# Altium PCB roach2.PcbDoc (part 32 of 39) (continued)
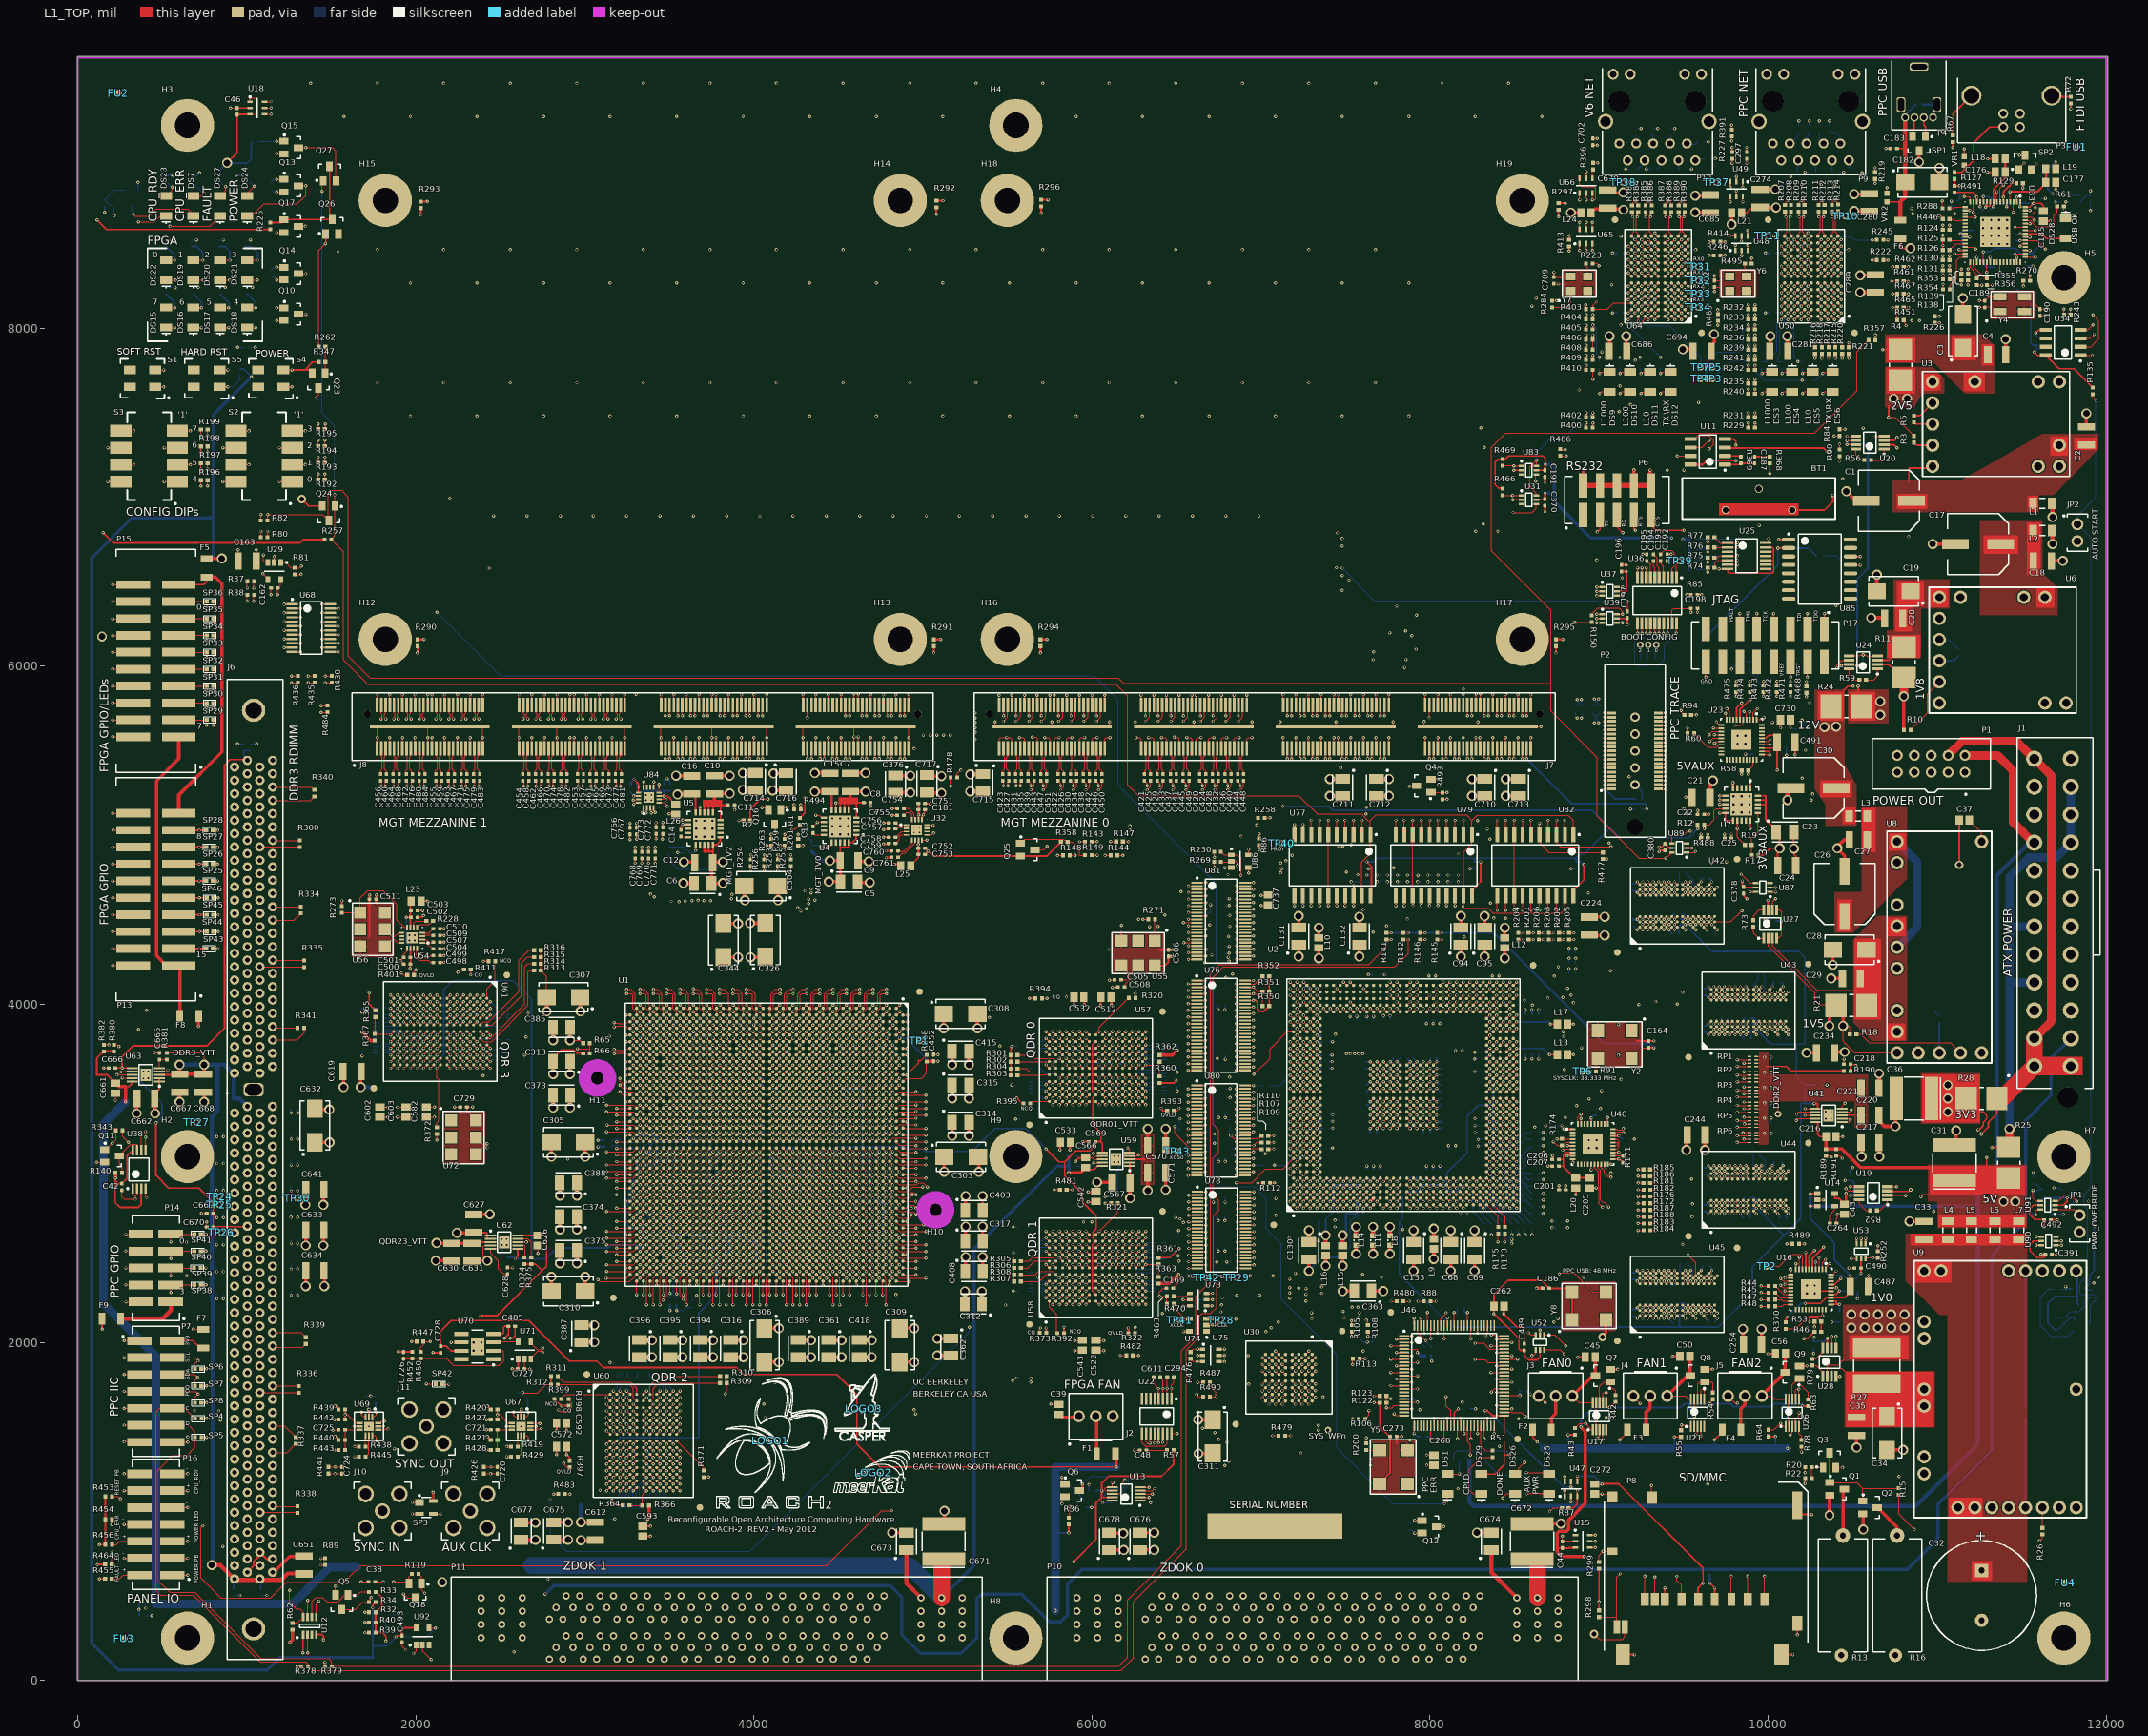
[diagram p0: L1_TOP view]
## Nets (pads, with @x,y where several pads share a name; then routed paths per layer and width w, separated by ;. In a path a pad name is that pad's centre, name@x,y a point inside that pad or via, vN(x,y) a via of type N, cw(c..) or ccw(c..) an arc to the next point about the centre after c; other vN are vias at no path point) (continued)
  L3_S w3.8: v2(8797.99,5088.42) 8797.99,5399.99 9018.72,5620.72 9018.72,5730.45 9089.25,5800.99 9790.51,5800.99 v3(9812.28,5822.77)
  L5_S w3.8: v3(8097.99,4583.31) 8125.93,4583.31 8141.53,4567.71 8154.45,4567.71 8185.65,4598.91 8204.45,4598.91 8220.05,4583.31 8372.24,4583.31 v2(8397.99,4557.56)
  L9_R w3.8: v3(7797.99,4583.31) 7813.59,4598.91 7854.45,4598.91 7868.95,4584.41 v3(7898.99,4584.41) 7924.93,4584.41 7940.53,4600.01 7981.39,4600.01 v3(7996.99,4584.41) 8012.59,4568.81 8053.45,4568.81 8067.95,4583.31 v3(8097.99,4583.31) ; v2(8397.99,4557.56) 8425.93,4557.56 8441.53,4541.96 8454.45,4541.96 8470.05,4557.56 v2(8497.99,4557.56) ; v2(8497.99,5088.42) 8515.42,5070.99 8558.99,5070.99 8576.42,5088.42 v2(8597.99,5088.42) v2(8697.99,5088.42) 8725.93,5088.42 8741.53,5104.02 8754.45,5104.02 8770.05,5088.42 v2(8797.99,5088.42) ; v3(9812.28,5822.77) 9840.99,5851.48 9840.99,6014.99 9958.99,6132.99 9958.99,6400.99 10292.99,6734.99 10292.99,7418.99 10384.99,7510.99 10384.99,7742.99 10434.99,7792.99 10506.99,7792.99 10574.99,7860.99 10574.99,8044.99 10652.99,8122.99 v2(10736.72,8122.99)
SYS_TRSTN: R50.1 R446.2 R473.2 U82.17 | length 7829.5
  L1_TOP w5: v3(8697.99,4557.56) U82.17@8697.99,4641.89 ; v3(9972.28,5822.77) R473.2@9972.28,5846.77 ; v2(11012,8665) 11025,8665 11033.31,8656.69 R446.2@11033.31,8646
  L8_R w5: v6(9060,4955) 9060,5086 9166.99,5192.99 9276.99,5192.99 9338.99,5254.99 9338.99,5810.99 9368.99,5840.99 9708.99,5840.99 9742.99,5874.99 9920.99,5874.99 9966.99,5828.99 v3@9966.99,5822.77
  L9_R w5: v3(8697.99,4557.56) 8757.69,4617.26 8849.47,4617.26 8967.39,4735.18 8967.39,4952 ; v6(9060,4955) 9057,4952 8967.39,4952 ; v2(10895,8045) 10912.99,8027.01 10912.99,7297.99 10705,7090 10705,6480 10285,6060 10285,5370 10205,5290 10160,5290 10120.75,5250.75 9475.75,5250.75 9405,5180 9138.07,5180 8967.39,5009.32 8967.39,4952
  L12_S w3.8: v2(10895,8045) 10980.99,8130.99 10980.99,8633.99 v2(11012,8665)
  L16_BOT w5: R50.1@9940,5990.31 9940,5905 9972,5873 9972,5823.05 v3(9972.28,5822.77)
SYS_WPN: pad.0@7397,1480.99 Q11.1 R343.1 U30.B4 U46.32 | length 13412.4
  L1_TOP w5: Q11.1@159.68,3140.39 168.39,3140.39 v2(204.99,3176.99) 226.32,3198.32 R343.1@226.32,3254 ; U30.B4@7263.78,1811.02 v1(7283.47,1830.71) ; U46.32@8024.88,1506.73 v3(8024.88,1551.94)
  L5_S w3.94: v2(204.99,3176.99) 204.99,3004.99 175,2975 175,647 296,526 681,526 1000,207 1294,207 1367,280 1367,337 1400,370 2006,370 2207,169 v6(2581,169) ; v3(8024.88,1551.94) 8135,1441.83 8135,1165 v6(8165,1135)
  L8_R w3.8: v1(7283.47,1830.71) 7262.99,1810.24 7262.99,1516.99 7298.99,1480.99 v2(7338.99,1480.99)
  L8_R w3.94: v6(2581,169) 2672,169 2813,310 4747,310 4993,556 5152,556 5160,548 8005,548 8206,749 8206,1094 v6(8165,1135)
  L9_R w3.8: v2(7338.99,1480.99) 7854.99,1480.99 7925.94,1551.94 v3(8024.88,1551.94)
TDI: R477.1 U82.5 | length 514.5
  L1_TOP w5: v2(8646.99,5071.32) 8647.99,5070.32 U82.5@8647.99,5004.09 8647.99,4956.01 8705.32,4898.68 R477.1@9022.99,4898.68
THERM_ALERTN: R75.1 R87.1 U2.U34 U15.5 U18.5 U22.12 | length 20002.3
  L1_TOP w5: U18.5@1106.3,9302.99 1144.39,9302.99 v2(1144.99,9303.59) ; v2(6370.06,1405.5) 6370.49,1405.94 U22.12@6370.49,1460.63 ; v1(7803.62,4132.28) U2.U34@7823.31,4112.6 ; v6(8708.66,1000) 8728.66,1020 R87.1@8780.32,1020 ; U15.5@8946.3,822.99 v2(8977.73,822.99) ; R75.1@9643.31,6642.99 v2(9643.31,6616.13) v2@9644.31,6615.13
  L3_S w5: v2(6370.06,1405.5) 6371.59,1405.5 6391.74,1425.65 6425.25,1425.65 6445.39,1405.5 6643.5,1405.5 6681.19,1443.19 6757.7,1443.19 6769.1,1431.79 7189.11,1431.79 7192.51,1435.19 7599.88,1435.19 7616.28,1418.79 7776.39,1418.79 7816.79,1459.19 7833.19,1459.19 8019.98,1645.98 v2(8192.01,1645.98)
  L8_R w3.8: v2(1144.99,9303.59) 1170.99,9277.59 1170.99,9184.99 1090.99,9104.99 1090.99,8550.99 1228.99,8412.99 1228.99,8253.59 1581.59,7900.99 1581.59,7293.42 2492.02,6382.99 7576.99,6382.99 v2(7760.99,6198.99)
  L12_S w3.8: v2(7760.99,6198.99) 7956.99,6394.99 8740.99,6394.99 8848.59,6502.59 9529.77,6502.59 v2(9643.31,6616.13)
  L14_S w3.8: v2(7760.99,6198.99) 7818.99,6140.99 7818.99,5433.79 7903.79,5348.99 7903.79,5104.69 7913.59,5094.89 7913.59,5081.96 7903.79,5072.16 7903.79,4739.73 7831.19,4667.13 7831.19,4610.91 7820.99,4600.71 7820.99,4149.65 v1(7803.62,4132.28) 7786.31,4132.28 7770.71,4147.88 7757.79,4147.88 7732.99,4123.09 7732.99,4005.03 7708.81,3980.85 7708.81,3926.59 7717.95,3917.45 7722.99,3917.45 7739.19,3901.25 7739.19,3897.76 7829.96,3806.99 7910.99,3806.99 7984.99,3732.99 7984.99,3666.42 7984.87,3666.31 7984.87,3060.81 7995.91,3049.77 7995.91,2968.68 7979.76,2952.53 7979.76,2298.22 8018.99,2258.99 8018.99,2160.64 8009.28,2150.93 8009.28,2132.7 8024.99,2116.99 8024.99,2092.99 8006.99,2074.99 7958.31,2074.99 7910.86,2027.54 7910.86,2007.13 7952.99,1964.99 8166.99,1964.99 8190.99,1940.99 8190.99,1646.99 v2(8192.01,1645.98) 8302.99,1534.99 8302.99,1084.99 8328.99,1058.99 8660.03,1058.99 8660.03,1000 ; v6(8708.66,1000) 8660.03,1000 ; v2(8977.73,822.99) 8962.13,807.39 8720.59,807.39 8660.03,867.96 8660.03,1000
TRC_CLK: P2.6 U2.AG32 | length 2129.6
  L1_TOP w5: U2.AG32@8217.01,4033.86 v1(8236.69,4053.54) ; P2.6@9351.97,5323.99 v2(9391.67,5323.99)
  L3_S w3.8: v2(8356.99,4598.99) 8556.99,4798.99 8816.93,4798.99 8828.53,4787.39 9013.39,4787.39 9130.99,4904.99 9130.99,5063.32 v2(9391.67,5323.99)
  L12_S w3.8: v1(8236.69,4053.54) 8255.62,4072.47 8255.62,4351.62 8392.59,4488.59 8392.59,4525.39 8356.99,4560.99 v2(8356.99,4598.99)
TRC_HALT: P2.7 P17.11 R96.1 R270.2 U2.E32 | length 8141.5
  L1_TOP w5: v1(7331.18,4053.54) U2.E32@7350.87,4033.86 ; v2(9034.32,5348.99) P2.7@9074.02,5348.99 ; P17.11@9832.99,6220.43 v2(9832.99,6311.03) ; v3@11510.31,8252.51 R270.2@11510.31,8280
  L5_S w3.8: v2(9186.31,5155.68) 9178.99,5162.99 v2(9178.99,5346.99) 9178.99,5740.99 9204.99,5766.99 9304.99,5766.99 9832.99,6294.99 v2(9832.99,6311.03) 9862.21,6311.03 10098.43,6547.24 10551.18,6547.24 10610.24,6606.3 10610.24,7043.31 10728.89,7161.96 10728.89,7499.45 10649.61,7578.74 10649.61,7909.45 10700.79,7960.63 11255.91,7960.63 11510.31,8215.04 v3(11510.31,8250.51)
  L8_R w3.8: v2(7470.99,5398.99) 8984.32,5398.99 v2(9034.32,5348.99) 9176.99,5348.99 v2(9178.99,5346.99)
  L12_S w3.8: v1(7331.18,4053.54) 7424.99,4147.36 7424.99,5112.99 7448.99,5136.99 7448.99,5376.99 v2(7470.99,5398.99)
  L16_BOT w5: v2@9186.62,5155.99 R96.1@9214.31,5155.99
TRC_TCK: P2.15 | length 39.7
  L1_TOP w5: v2(9034.32,5448.99) P2.15@9074.02,5448.99
TRC_TDI: P2.19 | length 39.7
  L1_TOP w5: v2(9034.32,5498.99) P2.19@9074.02,5498.99
TRC_TDO: P2.11 | length 39.7
  L1_TOP w5: v2(9034.32,5398.99) P2.11@9074.02,5398.99
TRC_TMS: P2.17 | length 39.7
  L1_TOP w5: v2(9034.32,5473.99) P2.17@9074.02,5473.99
TRC_TRSTN: P2.21 | length 39.7
  L1_TOP w5: v2(9034.32,5523.99) P2.21@9074.02,5523.99
TRCBS0: P2.25 U2.AE34 | length 2093
  L1_TOP w5: U2.AE34@8138.27,4112.6 v1(8157.95,4132.28) ; v2(9034.32,5573.99) P2.25@9074.02,5573.99
  L3_S w3.8: v1(8157.95,4132.28) 8147.56,4142.67 8147.56,4366.14 8200.42,4418.99 8200.42,4490.32 8218.42,4508.32 8218.42,4605.52 8515.9,4902.99 8822.99,4902.99 8894.99,4974.99 8894.99,5112.61 9062.19,5279.81 9062.19,5408.5 9056.99,5413.7 9056.99,5566.99 9049.99,5573.99 v2(9034.32,5573.99)
TRCBS1: P2.27 U2.AE32 | length 2215.3
  L1_TOP w5: U2.AE32@8138.27,4033.86 v1(8157.95,4053.54) ; v2(9034.32,5598.99) P2.27@9074.02,5598.99
  L3_S w3.8: v2(8202.99,4398.99) 8214.22,4410.22 8214.22,4493.09 8226.22,4505.09 8226.22,4593.8 8521.61,4889.19 8828.71,4889.19 8908.79,4969.28 8908.79,5106.89 9075.99,5274.09 9075.99,5414.21 9066.99,5423.21 9066.99,5586.99 9054.99,5598.99 v2(9034.32,5598.99)
  L12_S w3.8: v1(8157.95,4053.54) 8178.99,4074.58 8178.99,4194.99 8206.04,4222.04 8206.04,4255.94 8218.42,4268.32 8218.42,4297.67 8202.99,4313.09 v2(8202.99,4398.99)
TRCBS2: P2.29 U2.AE33 | length 2199
  L1_TOP w5: U2.AE33@8138.27,4073.23 v1(8157.95,4092.91) ; v2(9034.32,5623.99) P2.29@9074.02,5623.99
  L3_S w3.8: v1(8157.95,4092.91) 8173.92,4108.88 8173.92,4207.99 8228.02,4262.08 8228.02,4495.86 8234.02,4501.86 8234.02,4582.08 8527.33,4875.39 8834.42,4875.39 8922.59,4963.56 8922.59,5101.17 9089.79,5268.37 9089.79,5419.93 9076.99,5432.73 9076.99,5600.99 9053.99,5623.99 v2(9034.32,5623.99)
TRCES0: P2.31 U2.AE31 | length 2313.6
  L1_TOP w5: U2.AE31@8138.27,3994.49 v1(8157.95,4014.17) ; v2(9034.32,5648.99) P2.31@9074.02,5648.99
  L3_S w3.8: v1(8157.95,4014.17) 8181.72,4037.94 8181.72,4204.75 8241.82,4264.85 8241.82,4570.37 8533.04,4861.59 8840.14,4861.59 8936.39,4957.84 8936.39,5095.46 9103.59,5262.66 9103.59,5425.64 9084.79,5444.44 9084.79,5617.19 9052.99,5648.99 v2(9034.32,5648.99)
TRCES1: P2.33 U2.AF34 | length 2218.8
  L1_TOP w5: U2.AF34@8177.64,4112.6 v1(8197.32,4132.28) ; v2(9034.32,5673.99) P2.33@9074.02,5673.99
  L3_S w3.8: v1(8197.32,4132.28) 8197.32,4209.32 8255.62,4267.62 8255.62,4504.53 8249.62,4510.53 8249.62,4558.65 8538.76,4847.79 8845.86,4847.79 8950.19,4952.13 8950.19,5089.74 9117.39,5256.94 9117.39,5431.36 9092.59,5456.16 9092.59,5631.39 9049.99,5673.99 v2(9034.32,5673.99)
TRCES2: P2.35 U2.AF33 | length 2301.3
  L1_TOP w5: U2.AF33@8177.64,4073.23 v1(8197.32,4092.91) ; v2(9034.32,5698.99) P2.35@9074.02,5698.99
  L3_S w3.8: v1(8197.32,4092.91) 8212.99,4108.58 8212.99,4182.99 8213.29,4183.29 8213.29,4196.32 8242.99,4226.02 8242.99,4240.99 8269.42,4267.42 8269.42,4501.76 8257.42,4513.76 8257.42,4546.94 8544.48,4833.99 8851.57,4833.99 8963.99,4946.41 8963.99,5084.03 9131.19,5251.23 9131.19,5437.08 9102.99,5465.28 9102.99,5648.99 9052.99,5698.99 v2(9034.32,5698.99)
TRCES3: P2.37 U2.AF32 | length 2385.3
  L1_TOP w5: U2.AF32@8177.64,4033.86 v1(8197.32,4053.54) ; v2(9034.32,5723.99) P2.37@9074.02,5723.99
  L3_S w3.8: v1(8197.32,4053.54) 8221.09,4077.31 8221.09,4193.09 8283.22,4255.22 8283.22,4507.48 8273.7,4516.99 8265.22,4516.99 8265.22,4535.22 8550.19,4820.19 8857.29,4820.19 8977.79,4940.7 8977.79,5078.31 9144.99,5245.51 9144.99,5442.79 9110.79,5476.99 9110.79,5663.19 9049.99,5723.99 v2(9034.32,5723.99)
TRCES4: P2.24 U2.AF31 | length 2424.3
  L1_TOP w5: U2.AF31@8177.64,3994.49 v1(8197.32,4014.17) ; P2.24@9351.97,5548.99 v2(9391.67,5548.99)
  L3_S w3.8: v1(8197.32,4014.17) 8221.09,4037.94 8221.09,4060.01 8230.23,4069.14 8234.99,4069.14 8252.29,4086.45 8252.29,4172.87 8326.99,4247.56 8337.67,4247.56 8358.42,4268.32 8358.42,4567.23 8566.18,4774.99 9032.99,4774.99 9304.39,5046.39 9304.39,5160.39 9424.99,5280.99 9424.99,5544.99 9420.99,5548.99 v2(9391.67,5548.99)
TRCTS0: P2.26 U2.AG34 | length 2312.9
  L1_TOP w5: U2.AG34@8217.01,4112.6 v1(8236.69,4132.28) ; P2.26@9351.97,5573.99 v2(9391.67,5573.99)
  L3_S w3.8: v2(8376.99,4510.99) 8376.99,4569.12 8571.07,4763.19 9033.19,4763.19 9316.19,5046.19 9316.19,5155.5 9436.79,5276.1 9436.79,5558.19 9420.99,5573.99 v2(9391.67,5573.99)
  L12_S w3.8: v1(8236.69,4132.28) 8236.69,4370.69 v2(8376.99,4510.99)
TRCTS1: P2.28 U2.AG31 | length 2466.6
  L1_TOP w5: U2.AG31@8217.01,3994.49 v1(8236.69,4014.17) ; P2.28@9351.97,5598.99 v2(9391.67,5598.99)
  L3_S w3.8: v1(8236.69,4014.17) 8236.69,4014.54 8260.09,4037.94 8260.09,4154.09 8378.99,4272.99 8378.99,4486.99 8413.59,4521.59 8413.59,4589.03 8575.95,4751.39 9039.39,4751.39 9327.99,5039.99 9327.99,5150.62 9448.59,5271.22 9448.59,5571.39 9420.99,5598.99 v2(9391.67,5598.99)
TRCTS2: P2.30 U2.AH33 | length 2408.2
  L1_TOP w5: U2.AH33@8256.38,4073.23 v1(8276.06,4092.91) ; P2.30@9351.97,5623.99 v2(9391.67,5623.99)
  L3_S w3.8: v1(8276.06,4092.91) 8291.66,4108.51 8291.66,4167.66 8398.99,4274.99 8398.99,4486.99 8426.99,4514.99 8426.99,4585.74 8580.84,4739.59 9047.59,4739.59 9339.79,5031.79 9339.79,5145.73 9460.39,5266.33 9460.39,5584.59 9420.99,5623.99 v2(9391.67,5623.99)
TRCTS3: P2.32 U2.AH34 | length 2404.4
  L1_TOP w5: U2.AH34@8256.38,4112.6 v1(8276.06,4132.28) ; P2.32@9351.97,5648.99 v2(9391.67,5648.99)
  L3_S w3.8: v2(8446.99,4508.99) 8466.99,4528.99 8466.99,4609.06 8585.73,4727.79 9053.79,4727.79 9351.59,5025.59 9351.59,5140.84 9472.19,5261.44 9472.19,5597.79 9420.99,5648.99 v2(9391.67,5648.99)
  L12_S w3.8: v1(8276.06,4132.28) 8276.06,4338.06 v2(8446.99,4508.99)
TRCTS4: P2.34 U2.AH32 | length 2559.8
  L1_TOP w5: U2.AH32@8256.38,4033.86 v1(8276.06,4053.54) ; P2.34@9351.97,5673.99 v2(9391.67,5673.99)
  L3_S w3.8: v1(8276.06,4053.54) 8299.83,4077.31 8299.83,4149.83 8387.56,4237.56 8457.67,4237.56 8480.99,4260.89 8480.99,4606.37 8590.62,4715.99 9059.99,4715.99 9363.39,5019.39 9363.39,5135.95 9483.99,5256.55 9483.99,5610.99 9420.99,5673.99 v2(9391.67,5673.99)
TRCTS5: P2.36 U2.AJ34 | length 2507.8
  L1_TOP w5: U2.AJ34@8295.75,4112.6 v1(8315.43,4132.28) ; P2.36@9351.97,5698.99 v2(9391.67,5698.99)
  L3_S w3.8: v1(8315.43,4132.28) 8315.43,4154.4 8384.02,4222.99 8466.99,4222.99 8502.99,4258.99 8502.99,4526.99 8518.99,4542.99 8518.99,4627.68 8595.5,4704.19 9066.19,4704.19 9375.19,5013.19 9375.19,5131.07 9495.79,5251.67 9495.79,5624.19 9420.99,5698.99 v2(9391.67,5698.99)
TRCTS6: P2.38 U2.AH31 | length 2699.5
  L1_TOP w5: U2.AH31@8256.38,3994.49 v1(8276.06,4014.17) ; P2.38@9351.97,5723.99 v2(9391.67,5723.99)
  L3_S w3.8: v1(8276.06,4014.17) 8295.75,4033.86 8317.81,4033.86 8331.03,4047.08 8331.03,4158.97 8376.63,4204.57 8470.57,4204.57 8528.99,4262.99 8528.99,4620.99 8600.39,4692.39 9076.39,4692.39 9386.99,5002.99 9386.99,5126.18 9507.59,5246.78 9507.59,5637.39 9420.99,5723.99 v2(9391.67,5723.99)
TRSTN: U46.81 U82.3 | length 4381.3
  L1_TOP w5: v3(8280.79,2054.04) U46.81@8280.79,2099.25 ; U82.3@8738.99,5004.09 8738.99,5007.82 8747.99,5016.82 v2(8747.99,5088.42) ; U82.3@8747.99,5004.09 8747.99,4956.01 8773,4931 v6(9071,4931)
  L8_R w5: v3(8280.79,2054.04) 8280.79,2032.79 8251,2003 8251,1984 8292.01,1942.99 8372.99,1942.99 8386.99,1956.99 8433,1956.99 8448.99,1940.99 8710.99,1940.99 9022.99,2252.99 9022.99,2778.08 9037.19,2792.28 9037.19,2837.42 8936.79,2937.82 8936.79,3119.23 8958.86,3141.3 8958.86,3298.21 8936.79,3320.28 8936.79,3382.79 9042.99,3488.99 9042.99,4367.04 9069.02,4393.07 9069.02,4800.5 9030.32,4839.2 9030.32,4925.32 9037.99,4932.99 9069.01,4932.99 v6(9071,4931)
UART0_RX: R130.2 R469.2 U83.1 | length 4285.3
  L1_TOP w5: R469.2@8429,7187.31 8492.69,7187.31 v2(8495,7185) 8541.1,7185 U83.1@8541.69,7185.59 ; R130.2@11033.31,8402.99 v2(11033.31,8429.57)
  L5_S w3.8: v2(8602.99,8130.99) 8533.4,8200.59 8533.4,8395.4 8754.99,8616.99 8872.84,8616.99 8879.13,8610.7 8966.86,8610.7 8973.15,8616.99 9674.99,8616.99 9712.89,8579.09 9797.67,8579.09 9839.57,8620.99 10841.89,8620.99 v2(11033.31,8429.57)
  L14_S w3.8: v2(8495,7185) 8495,7233 8786,7524 8786,7947.98 v2(8602.99,8130.99)
UART0_TX: R131.2 R466.2 U31.1 | length 4435
  L1_TOP w5: R466.2@8432.31,7010.59 8488,7010.59 U31.1@8541.69,7010.59 ; R131.2@11033.31,8342.99 v2(11033.31,8369.57)
  L5_S w3.8: v2(8626.99,8178.99) 8558.99,8246.99 8558.99,8374.99 8774.99,8590.99 9656.99,8590.99 9678.05,8569.93 9845.93,8569.93 9878.99,8602.99 10799.89,8602.99 v2(11033.31,8369.57)
  L14_S w3.8: v2(8488,7010) 8488,7037 8826.65,7375.65 8826.65,7979.34 v2(8626.99,8178.99)
UART1_CTSN: U36.10 U39.3 | length 565.1
  L1_TOP w5: v2(8986.99,6257.4) U39.3@9019.68,6257.4 ; U36.10@9227.83,6523.83 v2(9227.83,6582.53)
  L14_S w3.8: v2(8986.99,6257.4) 9056.99,6327.4 9056.99,6494.99 9102.99,6540.99 9186.3,6540.99 v2(9227.83,6582.53)
UART1_CTSN-BC2: U2.C28 U39.4 | length 4958.5
  L1_TOP w5: v1(7252.44,3896.06) U2.C28@7272.13,3876.38 ; U39.4@9106.3,6257.4 v2(9138.99,6257.4)
  L12_S w3.8: v1(7252.44,3896.06) 7236.84,3911.66 7236.84,4196.84 7270.99,4230.99 7270.99,4324.99 7236.99,4358.99 7236.99,4444.99 7272,4480 7272,4537 7222.99,4586.01 7222.99,5254.37 7039.59,5437.77 7039.59,6298.63 7204.37,6463.4 7364,6463.4 v2(7480.99,6580.39)
  L16_BOT w5: v2(7480.99,6580.39) 7673.38,6388 9008.39,6388 v2(9138.99,6257.4)
UART1_RTSN: U36.12 U37.3 | length 593.2
  L1_TOP w5: v2(8986.99,6417.4) U37.3@9019.68,6417.4 ; v2(9253.43,6195.46) U36.12@9253.43,6254.15
  L14_S w3.8: v2(8986.99,6417.4) 8972.59,6403 8972.59,6320.53 8970.99,6318.93 8970.99,6284.99 8971.39,6284.59 8971.39,6250.94 9055.34,6166.99 9224.96,6166.99 v2(9253.43,6195.46)
UART1_RTSN-BC1: U2.C29 U37.4 | length 4785.6
  L1_TOP w5: v1(7252.44,3935.43) U2.C29@7272.13,3915.75 ; U37.4@9106.3,6417.4 v3(9138.99,6417.4)
  L9_R w3.8: v2(7480.99,6536.59) 8965.39,6536.59 9084.58,6417.4 v3(9138.99,6417.4)
  L12_S w3.8: v1(7252.44,3935.43) 7252.44,3992.11 7268.04,4007.71 7268.04,4206.04 7282.99,4220.99 7282.99,4334.99 7254.99,4362.99 7254.99,4446.99 7281,4473 7281,4554.98 7263.59,4572.39 7263.59,4752.99 7262.99,4752.99 7238.79,4777.19 7238.79,5049.81 7232.39,5056.21 7232.39,5069.14 7238.79,5075.54 7238.79,5260.91 7055.39,5444.31 7055.39,6292.08 7210.91,6447.6 7392,6447.6 v2(7480.99,6536.59)
UART1_RX: U2.B28 U36.15 | length 5413.4
  L1_TOP w5: v1(7213.07,3896.06) U2.B28@7232.76,3876.38 ; v2(9330.2,6195.46) U36.15@9330.2,6254.15
  L9_R w3.8: v2(7480.99,6711.79) 8750.19,6711.79 8884.99,6576.99 8959.09,6576.99 8972.59,6563.49 8972.59,6561.39 9008.99,6524.99 9138.99,6524.99 v2(9136.99,6522.99)
  L12_S w3.8: v1(7213.07,3896.06) 7189.3,3919.83 7189.3,4162.68 7168.99,4182.99 7168.99,4761.94 7175.59,4768.54 7175.59,4868.33 7169.39,4874.53 7169.39,4887.45 7175.59,4893.65 7175.59,5040.67 7171,5045.26 7171,5080.09 7175.59,5084.68 7175.59,5234.74 6992.19,5418.14 6992.19,6318.26 7184.73,6510.8 7280,6510.8 v2(7480.99,6711.79)
  L14_S w3.8: v2(9136.99,6522.99) 9330.2,6329.79 v2(9330.2,6195.46)
UART1_TX: U2.D28 U36.13 | length 4987.1
  L1_TOP w5: v1(7291.81,3896.06) U2.D28@7311.5,3876.38 ; v2(9279.02,6195.46) U36.13@9279.02,6254.15
  L9_R w3.8: v2(7480.99,6448.99) 8764.99,6448.99 8849.91,6364.08 9178.92,6364.08 9236.99,6306.01 9236.99,6278.99 9279.02,6236.97 v2(9279.02,6195.46)
  L12_S w3.8: v1(7291.81,3896.06) 7291.81,3952.74 7307.41,3968.34 7307.41,4570.66 7313.59,4576.85 7313.59,4592.03 7296.99,4608.63 7296.99,4763.68 7270.39,4790.28 7270.39,5040.67 7279,5049.28 7279,5076.07 7270.39,5084.68 7270.39,5274 7086.99,5457.4 7086.99,6278.99 7224,6416 7448,6416 v2(7480.99,6448.99)
V6_GPIO0: P15.17 SP36.2 U1.G31 U68.3 | length 9230.7
  L1_TOP w5: P15.17@598.03,6383.78 598.82,6382.99 SP36.2@762.99,6382.99 v2(762.99,6351.99) ; v2(1221.62,6315.56) U68.3@1269.79,6315.56 ; U1.G31@4644.77,2793.74 v1(4664.46,2774.05)
  L3_S w3.8: v2(762.99,6351.99) 767.99,6351.99 854.99,6264.99 854.99,5626.99 774.99,5546.99 774.99,5235.99 626,5087 626,4644.8 466.19,4484.99 466.19,3721.38 500.57,3687 500.57,3324.92 486.99,3311.34 486.99,3040.99 584.99,2942.99 776.99,2942.99 800.99,2918.99 959.99,2918.99 989.13,2889.85 1016.85,2889.85 1044.4,2917.4 1111.19,2917.4 1138.74,2889.85 1166.46,2889.85 1187.34,2910.73 1439.25,2910.73 1546.99,2802.99 1642.99,2802.99 ; 1637.99,2802.99 1642.99,2802.99 ; v1(4664.46,2774.05) 4648.79,2789.72 4648.79,2839.19 4644.99,2842.99 4644.99,2856.99 4632.99,2868.99 4620.99,2868.99 4609.49,2880.5 4609.49,2898.63 4619,2908.13 4634.78,2908.13 4648.86,2922.21 4648.86,2970.99 4648.49,2971.36 4648.49,2980.6 4634.78,2994.3 4597.04,2994.3 4596.67,2994.67 4499.31,2994.67 4483.21,3010.78 4483.21,3016.74 4474.07,3025.87 4445.73,3025.87 4437.56,3034.04 4421.77,3034.04 4412.64,3043.18 4412.64,3058.97 4398.19,3073.41 4092.57,3073.41 4092.2,3073.04 3917.76,3073.04 3900.82,3056.11 3900.82,2892.99 3884.03,2876.19 3681.54,2876.19 3664.6,2859.26 3664.6,2836.6 3656.43,2828.43 3656.43,2764.43 3644.99,2752.99 3474.99,2752.99 3459.58,2737.58 3459.58,2728.22 3450.44,2719.08 3206.06,2719.08 3194.54,2730.6 3071.38,2730.6 3026.99,2774.99 2494.99,2774.99 2466.99,2802.99 1642.99,2802.99
  L9_R w3.8: v2(762.99,6351.99) 799.43,6315.56 v2(1221.62,6315.56)
V6_GPIO1: P15.15 SP35.2 U1.H31 U68.4 | length 9354.5
  L1_TOP w5: P15.15@598.03,6282.99 762.2,6282.99 v2(762.2,6251.99) ; U68.4@1269.79,6289.97 v2(1317.95,6289.97) ; U1.H31@4605.4,2793.74 v1(4625.09,2774.05)
  L3_S w3.8: v2(762.2,6251.99) 828.99,6185.2 828.99,5624.99 756.99,5552.99 756.99,5270.99 599,5113 599,4651.46 450.39,4502.85 450.39,3732.36 437.2,3719.17 437.2,3706.25 492.77,3650.68 492.77,3339.47 472.02,3318.71 461.65,3318.71 447.39,3304.45 447.39,3291.53 462.99,3275.93 462.99,3042.99 592.99,2912.99 750.99,2912.99 810.99,2852.99 810.99,2803.81 847.09,2767.72 957.56,2767.72 989.13,2799.29 1016.85,2799.29 1044.4,2771.74 1111.19,2771.74 1138.74,2799.29 1166.46,2799.29 1204.75,2760.99 1642.99,2760.99 ; 1637.99,2760.99 1642.99,2760.99 ; v1(4625.09,2774.05) 4640.99,2789.96 4640.99,2821.19 4624.99,2837.19 4618.63,2837.19 4601.32,2854.5 4601.32,2909.32 4607.93,2915.93 4631.55,2915.93 4640.69,2925.07 4640.69,2977.37 4631.55,2986.5 4485.48,2986.5 4477.31,2994.67 4461.14,2994.67 4452.01,3003.81 4452.01,3008.57 4434.7,3025.87 4417.39,3025.87 4404.47,3038.8 4404.47,3056.11 4395.33,3065.24 3949.33,3065.24 3932.39,3048.31 3932.39,2878.39 3922.39,2868.39 3710.39,2868.39 3695.8,2853.8 3695.8,2846.33 3686.67,2837.19 3681.91,2837.19 3664.6,2819.89 3664.6,2718.6 3656.91,2710.91 3206.05,2710.91 3194.54,2699.4 3076.58,2699.4 3016.99,2758.99 2760.99,2758.99 2722.99,2720.99 2386.99,2720.99 2346.99,2760.99 1642.99,2760.99
  L9_R w3.8: v2(762.2,6251.99) 800.18,6289.97 v2(1317.95,6289.97)
V6_GPIO2: P15.13 SP34.2 U1.AF32 U68.5 | length 8505.4
  L1_TOP w5: P15.13@598.03,6182.99 762.2,6182.99 v2(762.2,6151.99) ; v2(1221.62,6264.38) U68.5@1269.79,6264.38 ; v1(3877.05,2734.68) U1.AF32@3896.74,2754.37
  L3_S w3.8: v2(762.2,6151.99) 510.99,5900.78 510.99,5728.99 632.99,5606.99 632.99,5364.99 470.79,5202.79 470.79,4792.52 298.89,4620.62 298.89,3416.41 285.39,3402.91 285.39,3176.53 288.99,3172.93 288.99,2702.99 535.21,2456.78 942.05,2456.78 969.6,2484.33 1016.85,2484.33 1044.4,2456.78 1091.66,2456.78 1119.2,2484.33 1166.46,2484.33 1179.79,2470.99 2068.99,2470.99 2118.99,2420.99 2464.99,2420.99 2514.99,2470.99 2740.99,2470.99 2806.99,2536.99 3090.99,2536.99 3106.99,2520.99 3145.86,2520.99 3158.99,2534.12 3214.12,2534.12 3233.43,2553.43 3839.43,2553.43 3856.99,2570.99 3856.99,2714.62 v1(3877.05,2734.68)
  L9_R w3.8: v2(762.2,6151.99) 762.2,6154.2 872.38,6264.38 v2(1221.62,6264.38)
V6_GPIO3: P15.11 SP33.2 U1.AG33 U68.6 | length 8327.2
  L1_TOP w5: P15.11@598.03,6082.99 762.2,6082.99 v2(762.2,6051.99) ; U68.6@1269.79,6238.79 v2(1317.95,6238.79) ; v1(3837.68,2695.31) U1.AG33@3857.37,2715
  L3_S w3.8: 306.12,3412.6 306.12,3324.92 316.59,3314.45 316.59,3108.59 312.99,3104.99 312.99,2758.99 574.99,2496.99 887.63,2496.99 914.33,2523.7 942.05,2523.7 969.6,2496.15 1016.85,2496.15 1044.4,2523.7 1091.66,2523.7 1119.2,2496.15 1637.15,2496.15 ; 306.69,3413.18 306.69,3632.13 318,3643.44 318,4606.07 494.59,4782.66 494.59,5194.59 656.99,5356.99 656.99,5630.99 586.99,5700.99 586.99,5918.99 719.99,6051.99 v2(762.2,6051.99) ; 1637.99,2496.99 2081.89,2496.99 2103.32,2518.42 2586.63,2518.42 2608.05,2496.99 2740.99,2496.99 2802.99,2558.99 3140.99,2558.99 3158.06,2541.92 3203.68,2541.92 3223.36,2561.6 3804.78,2561.6 3813.91,2570.74 3813.91,2671.54 v1(3837.68,2695.31)
  L9_R w3.8: v2(762.2,6051.99) 762.2,6056.2 944.79,6238.79 v2(1317.95,6238.79)
V6_GPIO4: P15.9 SP32.2 U1.L30 U68.7 | length 8892.2
  L1_TOP w5: P15.9@598.03,5982.99 762.2,5982.99 v2(762.2,5951.99) ; v2(1221.62,6213.2) U68.7@1269.79,6213.2 ; U1.L30@4487.29,2833.11 v1(4506.98,2813.42)
  L3_S w3.8: v2(762.2,5951.99) 716.99,5906.78 716.99,5844.99 777.8,5784.18 777.8,5741.8 700.99,5664.99 700.99,5316.99 542,5158 542,4729.09 366,4553.09 366,3897 387.19,3875.81 387.19,3645.6 365.59,3624 365.59,3539.99 392.57,3513 392.57,3336.24 384.99,3328.66 384.99,2994.99 570.99,2808.99 617.01,2808.99 811.74,2614.26 942.05,2614.26 969.6,2641.81 1016.85,2641.81 1044.4,2614.26 1091.66,2614.26 1119.2,2641.81 1611.18,2641.81 1637.99,2614.99 2056.99,2614.99 2090.99,2648.99 2150.99,2648.99 2204.59,2595.39 2581.39,2595.39 2598.99,2612.99 2722.99,2612.99 2742.17,2632.17 3197.81,2632.17 3216.99,2612.99 3296.99,2612.99 3316.17,2632.17 3734.17,2632.17 3743.34,2641.34 3743.34,2780.52 3752.48,2789.65 4039.65,2789.65 4056.99,2806.99 4056.99,2946.99 4096.5,2986.5 4395.33,2986.5 4404.47,2977.37 4404.47,2960.06 4417.39,2947.13 4434.7,2947.13 4443.84,2938 4443.84,2928.15 4464.22,2907.76 4474.07,2907.76 4483.21,2898.63 4483.21,2837.19 v1(4506.98,2813.42)
  L9_R w3.8: v2(762.2,5951.99) 762.2,5992.2 788.99,6018.99 822.99,6018.99 1017.2,6213.2 v2(1221.62,6213.2)
V6_GPIO5: P15.7 SP31.2 U1.H30 U68.8 | length 8870.5
  L1_TOP w5: P15.7@598.03,5882.99 762.2,5882.99 v2(762.2,5851.99) ; U68.8@1269.79,6187.61 v2(1317.95,6187.61) ; U1.H30@4605.4,2833.11 v1(4625.09,2813.42)
  L3_S w3.8: v2(762.2,5851.99) 785.6,5828.59 785.6,5613.6 736.99,5564.99 736.99,5284.99 581,5129 581,4667.12 434.59,4520.71 434.59,3727.59 429.4,3722.4 429.4,3703.02 440.39,3692.03 440.39,3387.29 421.92,3368.82 421.92,3339.47 439.59,3321.79 439.59,3288.3 444.99,3282.9 444.99,3024.99 590.99,2878.99 710.99,2878.99 834.99,2754.99 909.41,2754.99 914.33,2759.92 942.05,2759.92 961.65,2740.32 969.6,2732.37 1036.39,2732.37 1063.94,2759.92 1091.66,2759.92 1122.58,2728.99 1250.28,2728.99 1254.88,2724.39 1633.39,2724.39 1637.99,2728.99 2322.99,2728.99 2352.99,2698.99 2740.99,2698.99 2782.99,2740.99 3004.99,2740.99 3063.19,2682.79 3173.18,2682.79 3181.62,2691.23 3194.54,2691.23 3206.43,2679.34 3680.99,2679.34 ; 3681.36,2679.71 3686.67,2679.71 3695.8,2688.85 3695.8,2772.99 ; 3696.17,2773.36 3696.17,2823.12 3709.88,2836.82 3954.82,2836.82 ; 3955.19,2837.19 3962.26,2837.19 3971.39,2846.33 3971.39,3012.99 ; 3971.76,3013.36 3971.76,3019.97 3985.84,3034.04 4398.19,3034.04 4412.64,3019.6 4412.64,3003.81 4422.14,2994.3 4440.36,2994.3 4448.16,2986.5 4474.45,2986.5 4483.21,2977.75 4483.21,2972.61 4500.51,2955.3 4506.99,2955.3 ; 4507.36,2954.93 4516.67,2954.93 4530.75,2940.86 4530.75,2880.99 4538.75,2872.99 4558.99,2872.99 4566.99,2864.99 4566.99,2848.99 4584.99,2830.99 4607.52,2830.99 v1(4625.09,2813.42)
  L9_R w3.8: v2(762.2,5851.99) 767.99,5851.99 864.99,5948.99 864.99,6000.99 1051.61,6187.61 v2(1317.95,6187.61)
V6_GPIO6: P15.5 SP30.2 U1.M29 U68.9 | length 8821.9
  L1_TOP w5: P15.5@598.03,5782.99 762.2,5782.99 v2(762.2,5751.99) ; v2(1221.62,6162.02) U68.9@1269.79,6162.02 ; U1.M29@4447.92,2872.48 v1(4467.61,2852.79)
  L3_S w3.8: 336.99,3108.99 338.99,3106.99 ; v2(762.2,5751.99) 678.99,5668.78 678.99,5340.99 518.39,5180.39 518.39,4772.8 341,4595.41 341,3644.1 314.49,3617.59 314.49,3409.94 313.92,3409.37 313.92,3339.47 338.99,3314.39 338.99,3106.99 ; v1(4467.61,2852.79) 4443.84,2876.56 4443.84,2898.63 4434.7,2907.76 4410.22,2907.76 4404.47,2913.52 4404.47,2938 4395.33,2947.13 4091.13,2947.13 4078.99,2934.99 4078.99,2758.99 4070.28,2750.28 3791.85,2750.28 3782.71,2741.15 3782.71,2602.71 3772.8,2592.8 3234.8,2592.8 3215.12,2573.12 3164.31,2573.12 3144.62,2592.8 2760.8,2592.8 2716.99,2548.99 1479.09,2548.99 1467.67,2537.56 1191.96,2537.56 1166.46,2563.07 1119.2,2563.07 1091.66,2535.52 1044.4,2535.52 1016.85,2563.07 969.6,2563.07 942.05,2535.52 827.48,2535.52 795,2568 637.98,2568 398.99,2806.99 374.99,2806.99 356.97,2825.01 356.97,2861.01 338.99,2878.99 338.99,3106.99
  L9_R w3.8: v2(762.2,5751.99) 762.2,5796.2 784.99,5818.99 812.99,5818.99 922.99,5928.99 922.99,6014.99 1070.02,6162.02 v2(1221.62,6162.02)
V6_GPIO7: P15.3 SP29.2 U1.J30 U68.10 | length 8915.3
  L1_TOP w5: P15.3@598.03,5682.99 762.2,5682.99 v2(762.2,5651.99) ; U68.10@1269.79,6136.43 v2(1317.95,6136.43) ; U1.J30@4566.03,2833.11 v1(4585.72,2813.42)
  L3_S w3.8: v2(762.2,5651.99) 720.99,5610.78 720.99,5300.99 559,5139 559,4712.43 385,4538.43 385,3923 402.99,3905.01 402.99,3639.05 373.39,3609.45 373.39,3554.53 406.32,3521.6 406.32,3333.01 416.59,3322.73 416.59,3208.53 402.99,3194.93 402.99,3014.99 580.99,2836.99 622.99,2836.99 692.99,2766.99 692.99,2752.99 749.98,2696 871,2696 891,2676 909.15,2676 914.33,2681.18 942.05,2681.18 969.6,2653.63 1036.39,2653.63 1063.94,2681.18 1091.66,2681.18 1121.84,2650.99 2044.99,2650.99 2068.99,2674.99 2158.99,2674.99 2221.42,2612.56 2452.56,2612.56 2488.99,2648.99 2766.99,2648.99 2821.42,2703.42 2988.42,2703.42 3051.87,2639.97 3224.79,2639.97 3236.67,2651.86 3249.6,2651.86 3261.11,2640.34 3726.04,2640.34 3735.54,2649.85 3735.54,2783.75 3749.62,2797.82 4001.63,2797.82 4010.76,2806.96 4010.76,2976.76 4028.3,2994.3 4398.56,2994.3 4412.64,2980.23 4412.64,2964.44 4421.77,2955.3 4444.7,2955.3 4452.87,2947.13 4474.07,2947.13 4491.38,2929.83 4491.38,2846.33 4500.51,2837.19 4505.27,2837.19 4530.75,2811.72 4530.75,2806.96 4539.88,2797.82 4552.81,2797.82 4568.41,2813.42 v1(4585.72,2813.42)
  L9_R w3.8: v2(762.2,5651.99) 762.2,5668.2 796.99,5702.99 812.99,5702.99 852.99,5742.99 852.99,5796.99 972.99,5916.99 972.99,6016.99 1092.43,6136.43 v2(1317.95,6136.43)